# Altium PCB PCB.PcbDoc (part 3 of 3)
Units mm, origin at the board's own origin, x right, y up, seen from the top; angles counter-clockwise.
Board outline 245 x 130 mm, 2 copper layers (Top Layer, Bottom Layer), stack 2.071 mm thick; 280 components, 247 nets, 1185 pads, 381 vias.
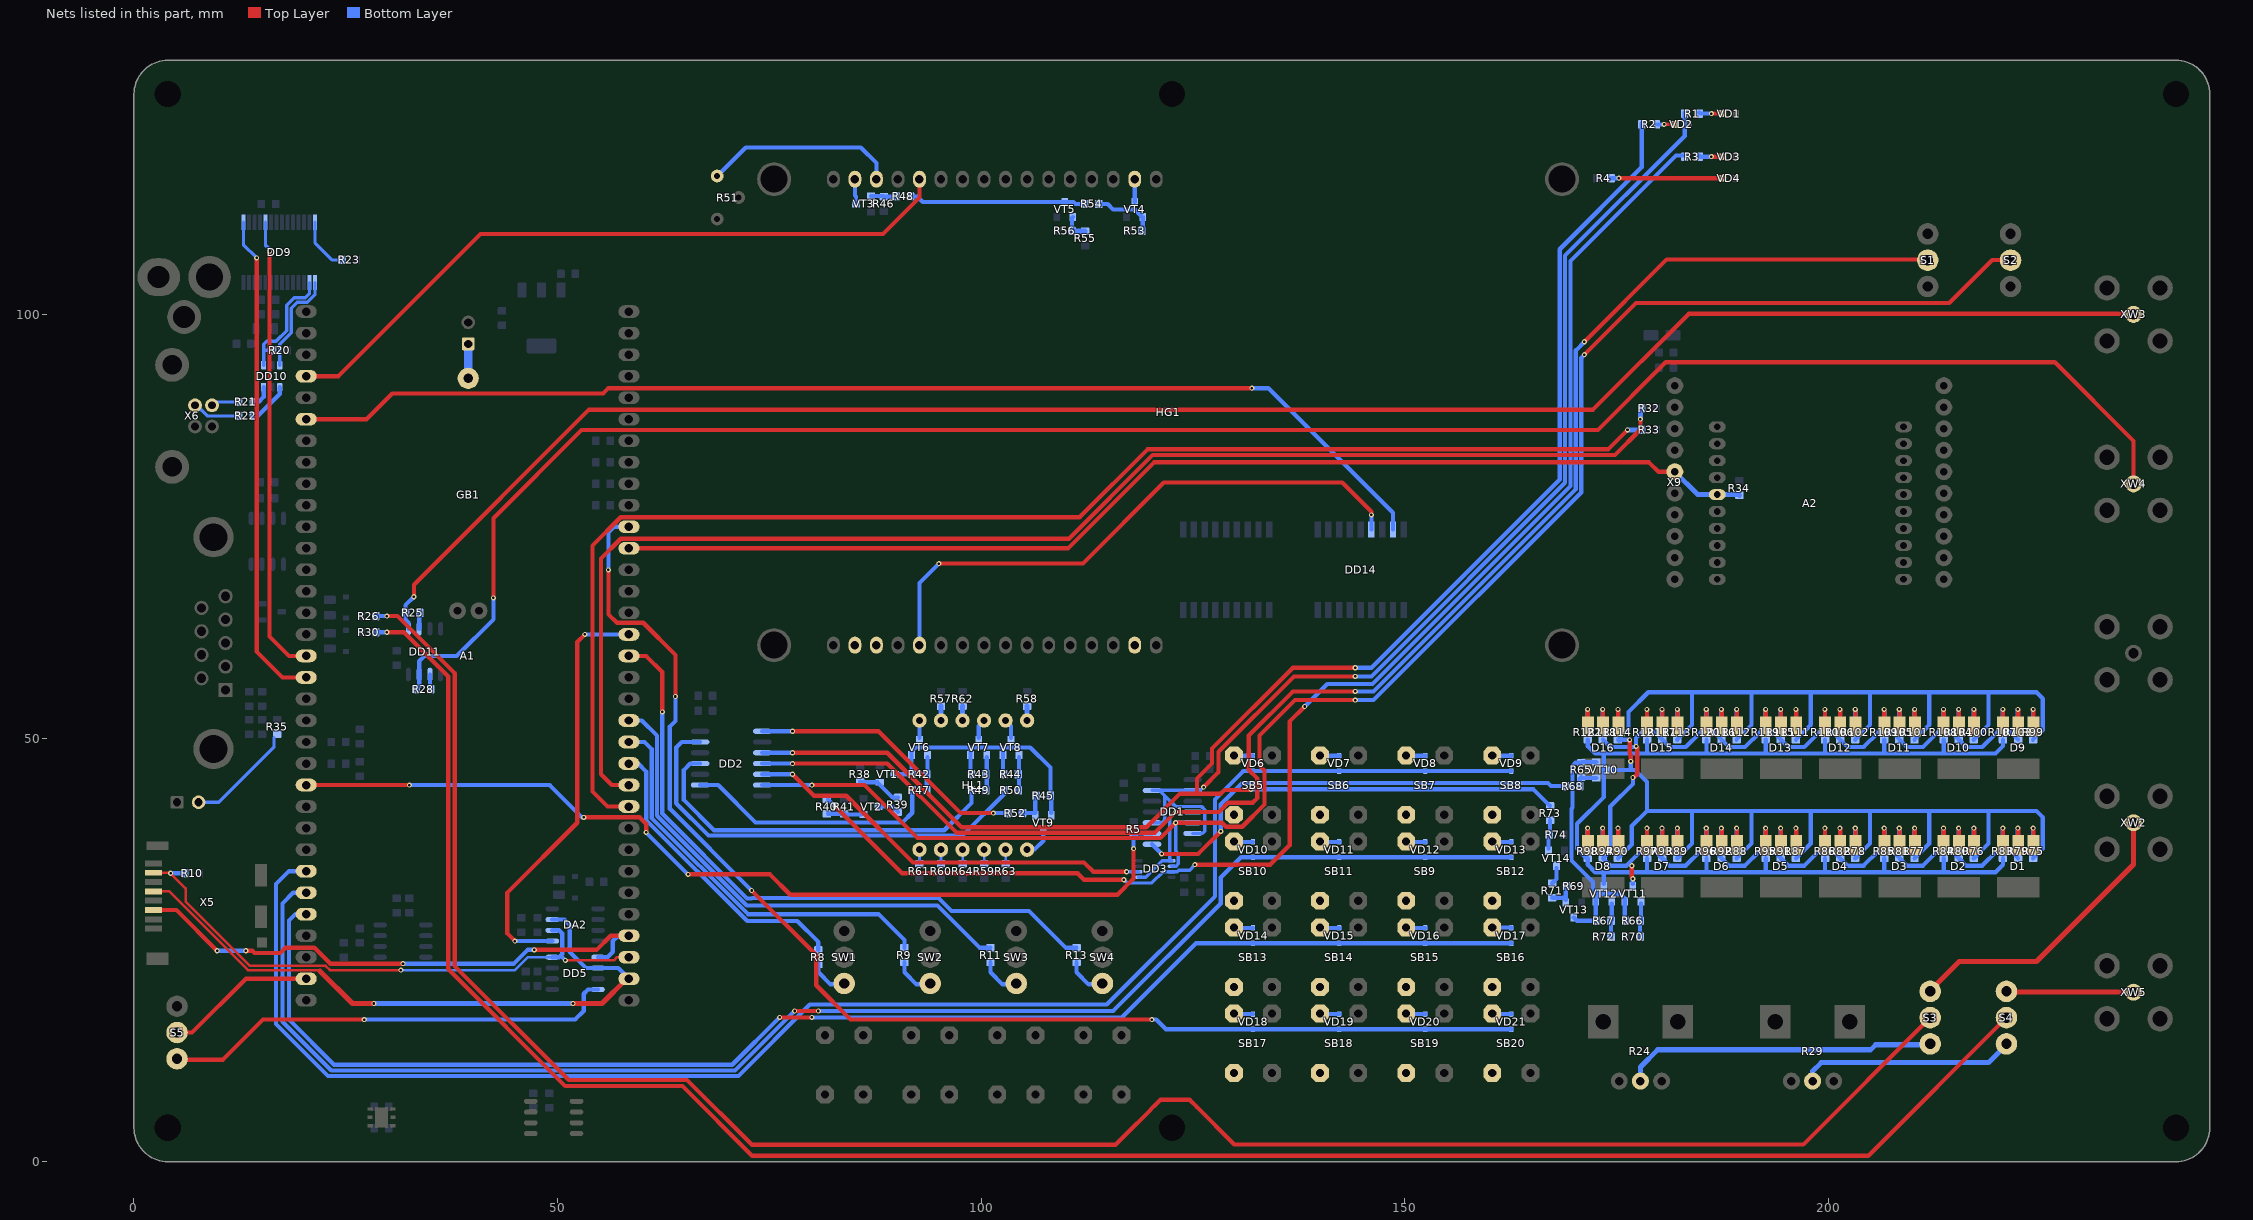
[diagram p3: the nets of this part, all layers, seen from the top]

## Via types
v1: diameter 0.6, hole 0.3, Top Layer to Bottom Layer, tented both sides, 363 vias
v2: diameter 0.7, hole 0.3, Top Layer to Bottom Layer, tented both sides, 12 vias
v3: diameter 1, hole 0.6, Top Layer to Bottom Layer, tented both sides, 6 vias

## Nets (pads, with @x,y where several pads share a name; then routed paths per layer and width w, separated by ;. In a path a pad name is that pad's centre, name@x,y a point inside that pad or via, vN(x,y) a via of type N, cw(c..) or ccw(c..) an arc to the next point about the centre after c; other vN are vias at no path point) (continued)
NetD1_AB: D1.AB R83.1 | length 3.7
  Top Layer w0.5: v1(220.57,39.37) 220.592,39.348 D1.AB@220.592,37.37
  Bottom Layer w0.5: R83.1@220.57,37.65 v1(220.57,39.37)
NetD1_AG: D1.AG R79.1 | length 3.7
  Top Layer w0.5: v1(222.348,39.37) 222.392,39.326 D1.AG@222.392,37.37
  Bottom Layer w0.5: R79.1@222.348,37.65 v1(222.348,39.37)
NetD1_AR: D1.AR R75.1 | length 3.9
  Top Layer w0.5: v1(224.155,39.37) 224.192,39.333 D1.AR@224.192,37.37
  Bottom Layer w0.5: R75.1@224.148,37.51 224.148,39.363 v1(224.155,39.37)
NetD2_AB: D2.AB R84.1 | length 5.7
  Top Layer w0.5: v1(213.57,39.37) v1@213.592,39.348 ; v1@213.592,39.348 D2.AB@213.592,37.37 v1@213.592,39.348
  Bottom Layer w0.5: R84.1@213.57,37.65 v1(213.57,39.37)
NetD2_AG: D2.AG R80.1 | length 3.7
  Top Layer w0.5: v1(215.348,39.37) 215.392,39.326 D2.AG@215.392,37.37
  Bottom Layer w0.5: R80.1@215.348,37.65 v1(215.348,39.37)
NetD2_AR: D2.AR R76.1 | length 5.8
  Top Layer w0.5: v1(217.155,39.37) v1@217.192,39.333 ; v1@217.192,39.333 D2.AR@217.192,37.37 v1@217.192,39.333
  Bottom Layer w0.5: R76.1@217.148,37.51 217.148,39.363 v1(217.155,39.37)
NetD3_AB: D3.AB R85.1 | length 3.7
  Top Layer w0.5: D3.AB@206.592,37.37 v1@206.592,39.348
  Bottom Layer w0.5: R85.1@206.57,37.65 v1(206.57,39.37)
NetD3_AG: D3.AG R81.1 | length 3.7
  Top Layer w0.5: D3.AG@208.392,37.37 v1@208.392,39.326
  Bottom Layer w0.5: R81.1@208.348,37.65 v1(208.348,39.37)
NetD3_AR: D3.AR R77.1 | length 3.8
  Top Layer w0.5: D3.AR@210.192,37.37 v1@210.192,39.333
  Bottom Layer w0.5: R77.1@210.148,37.51 210.148,39.363 v1(210.155,39.37)
NetD4_AB: D4.AB R86.1 | length 3.7
  Top Layer w0.5: D4.AB@199.592,37.37 v1@199.592,39.348
  Bottom Layer w0.5: R86.1@199.57,37.65 v1(199.57,39.37)
NetD4_AG: D4.AG R82.1 | length 3.7
  Top Layer w0.5: D4.AG@201.392,37.37 v1@201.392,39.326
  Bottom Layer w0.5: R82.1@201.348,37.65 v1(201.348,39.37)
NetD4_AR: D4.AR R78.1 | length 3.8
  Top Layer w0.5: D4.AR@203.192,37.37 v1@203.192,39.333
  Bottom Layer w0.5: R78.1@203.148,37.51 203.148,39.363 v1(203.155,39.37)
NetD5_AB: D5.AB R95.1 | length 3.7
  Top Layer w0.5: D5.AB@192.592,37.37 v1@192.592,39.348
  Bottom Layer w0.5: R95.1@192.57,37.65 v1(192.57,39.37)
NetD5_AG: D5.AG R91.1 | length 3.7
  Top Layer w0.5: D5.AG@194.392,37.37 v1@194.392,39.326
  Bottom Layer w0.5: R91.1@194.348,37.65 v1(194.348,39.37)
NetD5_AR: D5.AR R87.1 | length 3.8
  Top Layer w0.5: D5.AR@196.192,37.37 v1@196.192,39.333
  Bottom Layer w0.5: R87.1@196.148,37.51 196.148,39.363 v1(196.155,39.37)
NetD6_AB: D6.AB R96.1 | length 3.7
  Top Layer w0.5: D6.AB@185.592,37.37 v1@185.592,39.348
  Bottom Layer w0.5: R96.1@185.57,37.65 v1(185.57,39.37)
NetD6_AG: D6.AG R92.1 | length 3.7
  Top Layer w0.5: D6.AG@187.392,37.37 v1@187.392,39.326
  Bottom Layer w0.5: R92.1@187.348,37.65 v1(187.348,39.37)
NetD6_AR: D6.AR R88.1 | length 3.8
  Top Layer w0.5: D6.AR@189.192,37.37 v1@189.192,39.333
  Bottom Layer w0.5: R88.1@189.148,37.51 189.148,39.363 v1(189.155,39.37)
NetD7_AB: D7.AB R97.1 | length 3.7
  Top Layer w0.5: D7.AB@178.592,37.37 v1@178.592,39.348
  Bottom Layer w0.5: R97.1@178.57,37.65 v1(178.57,39.37)
NetD7_AG: D7.AG R93.1 | length 3.7
  Top Layer w0.5: D7.AG@180.392,37.37 v1@180.392,39.326
  Bottom Layer w0.5: R93.1@180.348,37.65 v1(180.348,39.37)
NetD7_AR: D7.AR R89.1 | length 3.8
  Top Layer w0.5: D7.AR@182.192,37.37 v1@182.192,39.333
  Bottom Layer w0.5: R89.1@182.148,37.51 182.148,39.363 v1(182.155,39.37)
NetD8_AB: D8.AB R98.1 | length 3.7
  Top Layer w0.5: D8.AB@171.592,37.37 v1@171.592,39.348
  Bottom Layer w0.5: R98.1@171.57,37.65 v1(171.57,39.37)
NetD8_AG: D8.AG R94.1 | length 3.7
  Top Layer w0.5: D8.AG@173.392,37.37 v1@173.392,39.326
  Bottom Layer w0.5: R94.1@173.348,37.65 v1(173.348,39.37)
NetD8_AR: D8.AR R90.1 | length 3.8
  Top Layer w0.5: D8.AR@175.192,37.37 v1@175.192,39.333
  Bottom Layer w0.5: R90.1@175.148,37.51 175.148,39.363 v1(175.155,39.37)
NetD9_AB: D9.AB R107.1 | length 3.7
  Top Layer w0.5: D9.AB@220.592,51.37 v1@220.592,53.348
  Bottom Layer w0.5: R107.1@220.57,51.65 v1(220.57,53.37)
NetD9_AG: D9.AG R103.1 | length 3.7
  Top Layer w0.5: D9.AG@222.392,51.37 v1@222.392,53.326
  Bottom Layer w0.5: R103.1@222.348,51.65 v1(222.348,53.37)
NetD9_AR: D9.AR R99.1 | length 3.8
  Top Layer w0.5: D9.AR@224.192,51.37 v1@224.192,53.333
  Bottom Layer w0.5: R99.1@224.148,51.51 224.148,53.363 v1(224.155,53.37)
NetD10_AB: D10.AB R108.1 | length 3.7
  Top Layer w0.5: D10.AB@213.592,51.37 v1@213.592,53.348
  Bottom Layer w0.5: R108.1@213.57,51.65 v1(213.57,53.37)
NetD10_AG: D10.AG R104.1 | length 3.7
  Top Layer w0.5: D10.AG@215.392,51.37 v1@215.392,53.326
  Bottom Layer w0.5: R104.1@215.348,51.65 v1(215.348,53.37)
NetD10_AR: D10.AR R100.1 | length 3.8
  Top Layer w0.5: D10.AR@217.192,51.37 v1@217.192,53.333
  Bottom Layer w0.5: R100.1@217.148,51.51 217.148,53.363 v1(217.155,53.37)
NetD11_AB: D11.AB R109.1 | length 3.7
  Top Layer w0.5: D11.AB@206.592,51.37 v1@206.592,53.348
  Bottom Layer w0.5: R109.1@206.57,51.65 v1(206.57,53.37)
NetD11_AG: D11.AG R105.1 | length 3.7
  Top Layer w0.5: D11.AG@208.392,51.37 v1@208.392,53.326
  Bottom Layer w0.5: R105.1@208.348,51.65 v1(208.348,53.37)
NetD11_AR: D11.AR R101.1 | length 3.8
  Top Layer w0.5: D11.AR@210.192,51.37 v1@210.192,53.333
  Bottom Layer w0.5: R101.1@210.148,51.51 210.148,53.363 v1(210.155,53.37)
NetD12_AB: D12.AB R110.1 | length 3.7
  Top Layer w0.5: D12.AB@199.592,51.37 v1@199.592,53.348
  Bottom Layer w0.5: R110.1@199.57,51.65 v1(199.57,53.37)
NetD12_AG: D12.AG R106.1 | length 3.7
  Top Layer w0.5: D12.AG@201.392,51.37 v1@201.392,53.326
  Bottom Layer w0.5: R106.1@201.348,51.65 v1(201.348,53.37)
NetD12_AR: D12.AR R102.1 | length 3.8
  Top Layer w0.5: D12.AR@203.192,51.37 v1@203.192,53.333
  Bottom Layer w0.5: R102.1@203.148,51.51 203.148,53.363 v1(203.155,53.37)
NetD13_AB: D13.AB R119.1 | length 3.7
  Top Layer w0.5: D13.AB@192.592,51.37 v1@192.592,53.348
  Bottom Layer w0.5: R119.1@192.57,51.65 v1(192.57,53.37)
NetD13_AG: D13.AG R115.1 | length 3.7
  Top Layer w0.5: D13.AG@194.392,51.37 v1@194.392,53.326
  Bottom Layer w0.5: R115.1@194.348,51.65 v1(194.348,53.37)
NetD13_AR: D13.AR R111.1 | length 3.8
  Top Layer w0.5: D13.AR@196.192,51.37 v1@196.192,53.333
  Bottom Layer w0.5: R111.1@196.148,51.51 196.148,53.363 v1(196.155,53.37)
NetD14_AB: D14.AB R120.1 | length 3.7
  Top Layer w0.5: D14.AB@185.592,51.37 v1@185.592,53.348
  Bottom Layer w0.5: R120.1@185.57,51.65 v1(185.57,53.37)
NetD14_AG: D14.AG R116.1 | length 3.7
  Top Layer w0.5: D14.AG@187.392,51.37 v1@187.392,53.326
  Bottom Layer w0.5: R116.1@187.348,51.65 v1(187.348,53.37)
NetD14_AR: D14.AR R112.1 | length 3.8
  Top Layer w0.5: D14.AR@189.192,51.37 v1@189.192,53.333
  Bottom Layer w0.5: R112.1@189.148,51.51 189.148,53.363 v1(189.155,53.37)
NetD15_AB: D15.AB R121.1 | length 3.7
  Top Layer w0.5: D15.AB@178.592,51.37 v1@178.592,53.348
  Bottom Layer w0.5: R121.1@178.57,51.65 v1(178.57,53.37)
NetD15_AG: D15.AG R117.1 | length 3.7
  Top Layer w0.5: D15.AG@180.392,51.37 v1@180.392,53.326
  Bottom Layer w0.5: R117.1@180.348,51.65 v1(180.348,53.37)
NetD15_AR: D15.AR R113.1 | length 3.8
  Top Layer w0.5: D15.AR@182.192,51.37 v1@182.192,53.333
  Bottom Layer w0.5: R113.1@182.148,51.51 182.148,53.363 v1(182.155,53.37)
NetD16_AB: D16.AB R122.1 | length 3.7
  Top Layer w0.5: D16.AB@171.592,51.37 v1@171.592,53.348
  Bottom Layer w0.5: R122.1@171.57,51.65 v1(171.57,53.37)
NetD16_AG: D16.AG R118.1 | length 3.7
  Top Layer w0.5: D16.AG@173.392,51.37 v1@173.392,53.326
  Bottom Layer w0.5: R118.1@173.348,51.65 v1(173.348,53.37)
NetD16_AR: D16.AR R114.1 | length 3.8
  Top Layer w0.5: D16.AR@175.192,51.37 v1@175.192,53.333
  Bottom Layer w0.5: R114.1@175.148,51.51 175.148,53.363 v1(175.155,53.37)
NetDD2_2: DD2.2 R47.1 | length 30
  Bottom Layer w0.5: DD2.2@66.815,44.45 68.961,44.45 73.367,40.044 90.717,40.044 91.86,41.187 R47.1@91.86,43.815
NetDD2_4: DD2.4 R49.1 | length 44
  Bottom Layer w0.5: DD2.4@66.815,46.99 65.659,46.99 64.897,46.228 64.897,42.672 68.453,39.116 95.631,39.116 98.845,42.33 R49.1@98.845,43.815
NetDD2_6: DD2.6 R50.1 | length 52.4
  Bottom Layer w0.5: DD2.6@66.815,49.53 64.643,49.53 64.008,48.895 64.008,42.291 67.808,38.491 97.8,38.491 102.655,43.346 R50.1@102.655,43.815
NetDD2_8: DD2.8 R52.1 | length 33
  Top Layer w0.5: v1(77.724,50.8) 87.884,50.8 97.536,41.148 v1(101.436,41.148)
  Bottom Layer w0.5: DD2.8@74.155,50.8 v1(77.724,50.8) ; v1(101.436,41.148) R52.1@103.163,41.148
NetDD5_4: DD5.4 S5.1 | length 54.3
  Top Layer w0.5: S5.1@5.08,12.04 10.516,12.04 15.24,16.764 v1(27.178,16.764)
  Bottom Layer w0.5: v1(27.178,16.764) 52.07,16.764 53.086,17.78 53.086,19.812 53.594,20.32 DD5.4@54.77,20.32
NetDD9_15: DD9.15 DD10.3 | length 12.1
  Bottom Layer w0.4: DD10.3@17.206,94.01 17.206,96.474 18.542,97.81 18.542,100.711 19.287,101.456 20.43,101.456 21.37,102.396 DD9.15@21.37,103.765
NetDD9_16: DD9.16 DD10.1 R20.1 | length 14.4
  Bottom Layer w0.4: DD10.1@15.306,94.01 15.306,95.758 ; R20.1@16.356,95.758 15.306,95.758 ; DD9.16@20.72,103.765 20.72,102.508 20.193,101.981 18.923,101.981 18.017,101.075 18.017,98.077 16.764,96.824 15.671,96.824 15.306,96.459 15.306,95.758
NetDD10_4: DD10.4 R22.2 | length 5
  Bottom Layer w0.5: R22.2@14.058,88.011 14.605,88.011 17.206,90.612 DD10.4@17.206,91.41
NetDD10_6: DD10.6 R21.2 | length 2.7
  Bottom Layer w0.5: R21.2@14.058,89.662 14.732,89.662 15.306,90.236 DD10.6@15.306,91.41
NetDD11_1: DD11.1 R25.2 XW3.Sig | length 222
  Top Layer w0.5: v1(33.038,66.675) 33.038,68.09 53.703,88.755 172.194,88.755 183.515,100.076 235.924,100.076 XW3.Sig@236,100
  Bottom Layer w0.5: DD11.1@32.385,62.898 32.385,63.627 32.043,63.969 R25.2@32.043,64.77 32.043,65.68 v1(33.038,66.675)
NetDD11_2: DD11.2 R25.1 | length 1.9
  Bottom Layer w0.5: DD11.2@33.655,62.898 33.655,64.682 R25.1@33.743,64.77
NetDD11_6: DD11.6 R28.1 | length 1.8
  Bottom Layer w0.5: DD11.6@34.925,57.498 34.925,55.841 R28.1@35.013,55.753
NetDD11_7: DD11.7 R28.2 XW4.Sig | length 236.3
  Top Layer w0.5: v1(42.418,66.548) 42.418,75.946 52.832,86.36 172.783,86.36 180.784,94.361 226.695,94.361 236,85.056 XW4.Sig@236,80
  Bottom Layer w0.5: R28.2@33.313,55.753 33.655,56.095 DD11.7@33.655,57.498 33.655,59.055 34.29,59.69 38.1,59.69 42.418,64.008 v1(42.418,66.548)
NetGB1_VCC: GB1.VCC X3.1 | length 4.1
  Bottom Layer w1: GB1.VCC@39.45,92.456 X3.1@39.45,96.52
NetHG1_2: HG1.2 VT3.3 | length 3
  Bottom Layer w0.5: HG1.2@85.09,115.96 85.09,114.046 85.221,113.915 VT3.3@85.221,113.03
NetHG1_3: HG1.3 R51.CCW | length 22.9
  Bottom Layer w0.5: R51.CCW@68.834,116.332 72.212,119.71 85.776,119.71 87.63,117.856 HG1.3@87.63,115.96
NetHG1_15: HG1.15 VT4.3 | length 2.7
  Bottom Layer w0.5: VT4.3@118.11,113.28 HG1.15@118.11,115.96
NetHL1_1: HL1.1 R61.2 | length 1.7
  Bottom Layer w0.3: R61.2@92.71,35.14 HL1.1@92.71,36.83
NetHL1_2: HL1.2 R60.2 | length 1.7
  Bottom Layer w0.3: R60.2@95.25,35.14 HL1.2@95.25,36.83
NetHL1_3: HL1.3 R64.2 | length 1.7
  Bottom Layer w0.3: R64.2@97.79,35.14 HL1.3@97.79,36.83
NetHL1_4: HL1.4 R59.2 | length 1.7
  Bottom Layer w0.3: R59.2@100.33,35.14 HL1.4@100.33,36.83
NetHL1_5: HL1.5 R63.2 | length 1.7
  Bottom Layer w0.3: R63.2@102.87,35.14 HL1.5@102.87,36.83
NetHL1_6: HL1.6 VT9.3 | length 3.3
  Bottom Layer w0.5: HL1.6@105.41,36.83 106.299,36.83 107.315,37.846 VT9.3@107.315,38.855
NetHL1_7: HL1.7 R58.2 | length 1.7
  Bottom Layer w0.6: HL1.7@105.41,52.07 R58.2@105.41,53.76
NetHL1_8: HL1.8 VT8.3 | length 2.3
  Bottom Layer w0.5: HL1.8@102.87,52.07 103.505,51.435 VT8.3@103.505,50.045
NetHL1_9: HL1.9 VT7.3 | length 2.3
  Bottom Layer w0.5: VT7.3@99.695,50.045 99.695,51.435 HL1.9@100.33,52.07
NetHL1_10: HL1.10 R62.2 | length 1.7
  Bottom Layer w0.6: HL1.10@97.79,52.07 R62.2@97.79,53.76
NetHL1_11: HL1.11 R57.2 | length 1.7
  Bottom Layer w0.6: HL1.11@95.25,52.07 R57.2@95.25,53.76
NetHL1_12: HL1.12 VT6.3 | length 2
  Bottom Layer w0.5: VT6.3@92.71,50.045 HL1.12@92.71,52.07
NetR1_2: R1.2 VD1.A | length 2.9
  Top Layer w0.5: v1(186.182,123.698) VD1.A@187.364,123.698 187.403,123.698 VD1.A@187.53,123.825
  Bottom Layer w0.5: R1.2@184.738,123.825 184.865,123.698 v1(186.182,123.698)
NetR2_2: R2.2 VD2.A | length 2.2
  Top Layer w0.4: v1(180.594,122.428) 181.768,122.428 VD2.A@181.895,122.555
  Bottom Layer w0.5: R2.2@179.785,122.428 v1(180.594,122.428)
NetR3_2: R3.2 VD3.A | length 2.9
  Top Layer w0.5: v1(186.182,118.618) VD3.A@187.364,118.618 187.403,118.618 VD3.A@187.53,118.745
  Bottom Layer w0.5: R3.2@184.738,118.745 184.865,118.618 v1(186.182,118.618)
NetR4_2: R4.2 VD4.A | length 13
  Top Layer w0.5: v1(175.26,116.078) VD4.A@187.364,116.078
  Bottom Layer w0.5: R4.2@174.332,116.078 v1(175.26,116.078)
NetR8_2: R8.2 SW1.1 | length 4.8
  Bottom Layer w0.5: R8.2@80.772,23.534 R8.2@80.772,23.28 80.772,22.352 82.194,20.93 SW1.1@83.82,20.93
NetR9_2: R9.2 SW2.1 | length 4.8
  Bottom Layer w0.5: R9.2@90.932,23.534 90.932,22.352 92.354,20.93 SW2.1@93.98,20.93
NetR11_2: R11.2 SW3.1 | length 4.8
  Bottom Layer w0.5: R11.2@101.092,23.534 101.092,22.352 102.514,20.93 SW3.1@104.14,20.93
NetR13_2: R13.2 SW4.1 | length 4.8
  Bottom Layer w0.5: R13.2@111.252,23.534 111.252,22.352 112.674,20.93 SW4.1@114.3,20.93
NetR21_1: R21.1 X6.2 | length 3.3
  Bottom Layer w0.4: X6.2@9.21,89.27 9.602,89.662 R21.1@12.358,89.662
NetR22_1: R22.1 X6.3 | length 5.7
  Bottom Layer w0.4: X6.3@7.21,89.27 7.377,89.27 8.636,88.011 12.231,88.011 R22.1@12.358,87.884
NetR24_W: R24.W S3.3 | length 37
  Bottom Layer w0.6: R24.W@177.8,9.51 177.8,11.176 179.832,13.208 204.978,13.208 205.57,13.8 S3.3@212,13.8
NetR26_1: R26.1 S3.2 | length 240.1
  Top Layer w0.5: v1(29.845,64.389) 31.115,64.389 37.846,57.658 37.846,23.114 51.308,9.652 65.278,9.652 72.93,2 115.833,2 116.958,3.125 116.977,3.125 119.968,6.116 cw(c122.5,4) 120.357,6.509 121.152,7.3 124.6,7.3 125.405,6.495 129.868,2.032 197.032,2.032 S3.2@212,17
  Bottom Layer w0.5: R26.1@28.536,64.389 v1(29.845,64.389)
NetR29_W: R29.W S4.3 | length 25.3
  Bottom Layer w0.6: R29.W@198.12,9.51 198.12,10.668 199.136,11.684 218.884,11.684 S4.3@221,13.8
NetR30_1: R30.1 S4.2 | length 245
  Top Layer w0.5: v1(29.845,62.484) 31.877,62.484 37.084,57.277 37.084,22.733 50.892,8.925 64.735,8.925 72.96,0.7 204.7,0.7 S4.2@221,17
  Bottom Layer w0.5: R30.1@28.536,62.484 v1(29.845,62.484)
NetR35_1: R35.1 X11.2 | length 12.7
  Bottom Layer w0.381: X11.2@7.62,42.418 10.018,42.418 16.51,48.91 R35.1@16.51,50.038
NetR38_1: R38.1 R39.2 VT1.1 | length 5.2
  Bottom Layer w0.5: R38.1@85.725,44.87 85.825,44.77 87.75,44.77 89.545,42.975 R39.2@90.17,42.975
NetR39_1: R39.1 VT2.3 | length 2.3
  Bottom Layer w0.5: VT2.3@88.145,41.91 89.535,41.91 R39.1@90.17,41.275
NetR40_2: R40.2 R41.2 VT2.1 | length 4
  Bottom Layer w0.5: R40.2@81.915,41.06 R41.2@83.82,41.06 83.92,40.96 VT2.1@85.845,40.96
NetR42_1: R42.1 R47.2 VT6.1 | length 4
  Bottom Layer w0.5: R47.2@93.56,43.815 R42.1@93.56,45.72 93.66,45.82 VT6.1@93.66,47.745
NetR42_2: R42.2 R43.2 R44.2 R45.2 VT1.3 VT6.2 VT7.2 VT8.2 VT9.2 | length 34.1
  Bottom Layer w0.5: VT1.3@90.05,45.72 R42.2@91.86,45.72 91.76,45.82 VT6.2@91.76,48.01 91.76,48.453 92.202,48.895 98.679,48.895 ; R43.2@98.845,45.72 98.745,45.82 VT7.2@98.745,48.01 98.745,48.829 98.679,48.895 ; R44.2@102.655,45.72 102.555,45.82 VT8.2@102.555,48.01 102.555,48.829 102.489,48.895 ; VT9.2@108.265,41.155 108.265,43.08 R45.2@108.165,43.18 108.165,46.521 105.791,48.895 102.489,48.895 ; 98.679,48.895 102.489,48.895
NetR43_1: R43.1 R49.2 VT7.1 | length 4
  Bottom Layer w0.5: R49.2@100.545,43.815 100.645,43.915 VT7.1@100.645,47.745
NetR44_1: R44.1 R50.2 VT8.1 | length 4
  Bottom Layer w0.5: R50.2@104.355,43.815 104.455,43.915 VT8.1@104.455,47.745
NetR45_1: R45.1 R52.2 VT9.1 | length 3.6
  Bottom Layer w0.5: R52.2@104.863,41.148 106.358,41.148 106.365,41.155 106.365,43.08 R45.1@106.465,43.18
NetR46_1: R46.1 R48.2 VT3.1 | length 3
  Bottom Layer w0.5: VT3.1@86.991,113.98 88.419,113.98 R46.1@88.519,113.88 89.916,113.88 R48.2@89.955,113.919
NetR48_1: R48.1 R54.1 VT5.3 | length 20.9
  Bottom Layer w0.5: R48.1@91.655,113.919 92.456,113.919 93.095,113.28 VT5.3@109.855,113.28 110.875,113.28 111.125,113.03 R54.1@112.18,113.03
NetR53_1: R53.1 R54.2 VT4.1 | length 7.5
  Bottom Layer w0.5: R54.2@113.88,113.03 114.935,113.03 115.57,112.395 118.11,112.395 118.995,111.51 VT4.1@119.06,111.51 119.06,109.955 R53.1@118.96,109.855
NetR55_2: R55.2 R56.2 VT5.1 | length 3.3
  Bottom Layer w0.5: R56.2@110.705,109.855 110.705,111.41 VT5.1@110.805,111.51
  Bottom Layer w0.6: R56.2@110.705,109.855 110.744,109.816 R55.2@112.268,109.816
NetR65_1: R65.1 R68.2 VT10.1 | length 2.9
  Bottom Layer w0.5: R68.2@170.649,44.323 170.649,45.212 R65.1@170.815,45.378 170.915,45.278 VT10.1@172.597,45.278
NetR66_1: R66.1 R70.2 VT11.1 | length 3.8
  Bottom Layer w0.5: R70.2@177.755,26.533 R66.1@177.755,28.438 ; R66.1@177.855,28.538 VT11.1@177.855,30.463
NetR67_1: R67.1 R72.2 VT12.1 | length 4
  Bottom Layer w0.5: R72.2@174.326,26.533 R67.1@174.326,28.438 174.426,28.538 VT12.1@174.426,30.463
NetR69_1: R69.1 R71.2 VT13.1 | length 3.4
  Bottom Layer w0.5: R71.2@167.386,31.154 168.69,31.154 168.976,30.868 168.976,32.412 R69.1@169.076,32.512
NetR71_1: R71.1 VT14.3 | length 2
  Bottom Layer w0.5: R71.1@167.386,32.854 167.894,33.362 VT14.3@167.894,34.664
NetR73_2: R73.2 R74.2 VT14.1 | length 3.4
  Bottom Layer w0.5: VT14.1@166.944,36.964 166.944,38.508 R74.2@167.044,38.608 167.132,38.696 R73.2@167.132,40.298
NetR75_2: R75.2 R76.2 R77.2 R78.2 R87.2 R88.2 R89.2 R90.2 R99.2 R100.2 R101.2 R102.2 R111.2 R112.2 R113.2 R114.2 VT10.3 | length 207.7
  Top Layer w0.5: v1(176.53,49.784) 176.53,48.133 176.657,48.006 v1(176.657,47.244)
  Bottom Layer w0.5: VT10.3@174.367,46.228 176.657,46.228 ; R90.2@175.148,35.81 176.784,37.446 176.784,39.624 178.562,41.402 ; v1(176.53,49.784) 175.428,49.784 175.301,49.657 R114.2@175.148,49.81 176.403,51.065 176.403,53.086 178.719,55.402 183.896,55.402 ; v1(176.657,47.244) 176.657,46.228 ; R89.2@182.148,35.81 183.896,37.558 183.896,41.402 ; R113.2@182.148,49.81 183.896,51.558 183.896,55.402 ; R88.2@189.148,35.81 190.896,37.558 190.896,41.402 ; R112.2@189.148,49.81 190.896,51.558 190.896,55.402 ; R87.2@196.148,35.81 197.896,37.558 197.896,41.402 ; R111.2@196.148,49.81 197.896,51.558 197.896,55.402 ; R78.2@203.148,35.81 204.896,37.558 204.896,41.402 ; R102.2@203.148,49.81 204.896,51.558 204.896,55.402 ; R77.2@210.148,35.81 211.896,37.558 211.896,41.402 ; R101.2@210.148,49.81 211.896,51.558 211.896,55.402 ; R76.2@217.148,35.81 218.896,37.558 218.896,41.402 ; R100.2@217.148,49.81 218.896,51.558 218.896,55.402 ; R75.2@224.148,35.81 225.298,36.96 225.298,40.64 224.536,41.402 218.896,41.402 ; R99.2@224.148,49.81 225.298,50.96 225.298,54.64 224.536,55.402 218.896,55.402 ; 176.657,46.228 177.165,46.228 178.562,44.831 178.562,41.402 ; 178.562,41.402 183.896,41.402 ; 183.896,41.402 190.896,41.402 ; 183.896,55.402 190.896,55.402 ; 190.896,41.402 197.896,41.402 ; 190.896,55.402 197.896,55.402 ; 197.896,41.402 204.896,41.402 ; 197.896,55.402 204.896,55.402 ; 204.896,41.402 211.896,41.402 ; 204.896,55.402 211.896,55.402 ; 211.896,41.402 218.896,41.402 ; 211.896,55.402 218.896,55.402
NetR79_2: R79.2 R80.2 R81.2 R82.2 R91.2 R92.2 R93.2 R94.2 R103.2 R104.2 R105.2 R106.2 R115.2 R116.2 R117.2 R118.2 VT11.3 | length 136.5
  Top Layer w0.5: v1(176.784,34.925) 176.784,33.516 v1(176.905,33.395) ; v1(176.911,45.339) 177.038,45.339 177.419,45.72 177.419,48.895 v1(177.292,49.022)